# Altium PCB XMS0004.PcbDoc (part 4 of 5)
Units mm, origin at the board's own origin, x right, y up, seen from the top; angles counter-clockwise.
Board outline 160 x 130 mm, 4 copper layers (Layer 1 (Top), Layer 2 (GND), Layer 3 (PWR), Layer 4 (Bottom)), stack 1.564 mm thick; 490 components, 328 nets, 1713 pads, 922 vias.
Unrouted connection lines stored in the file: 5.
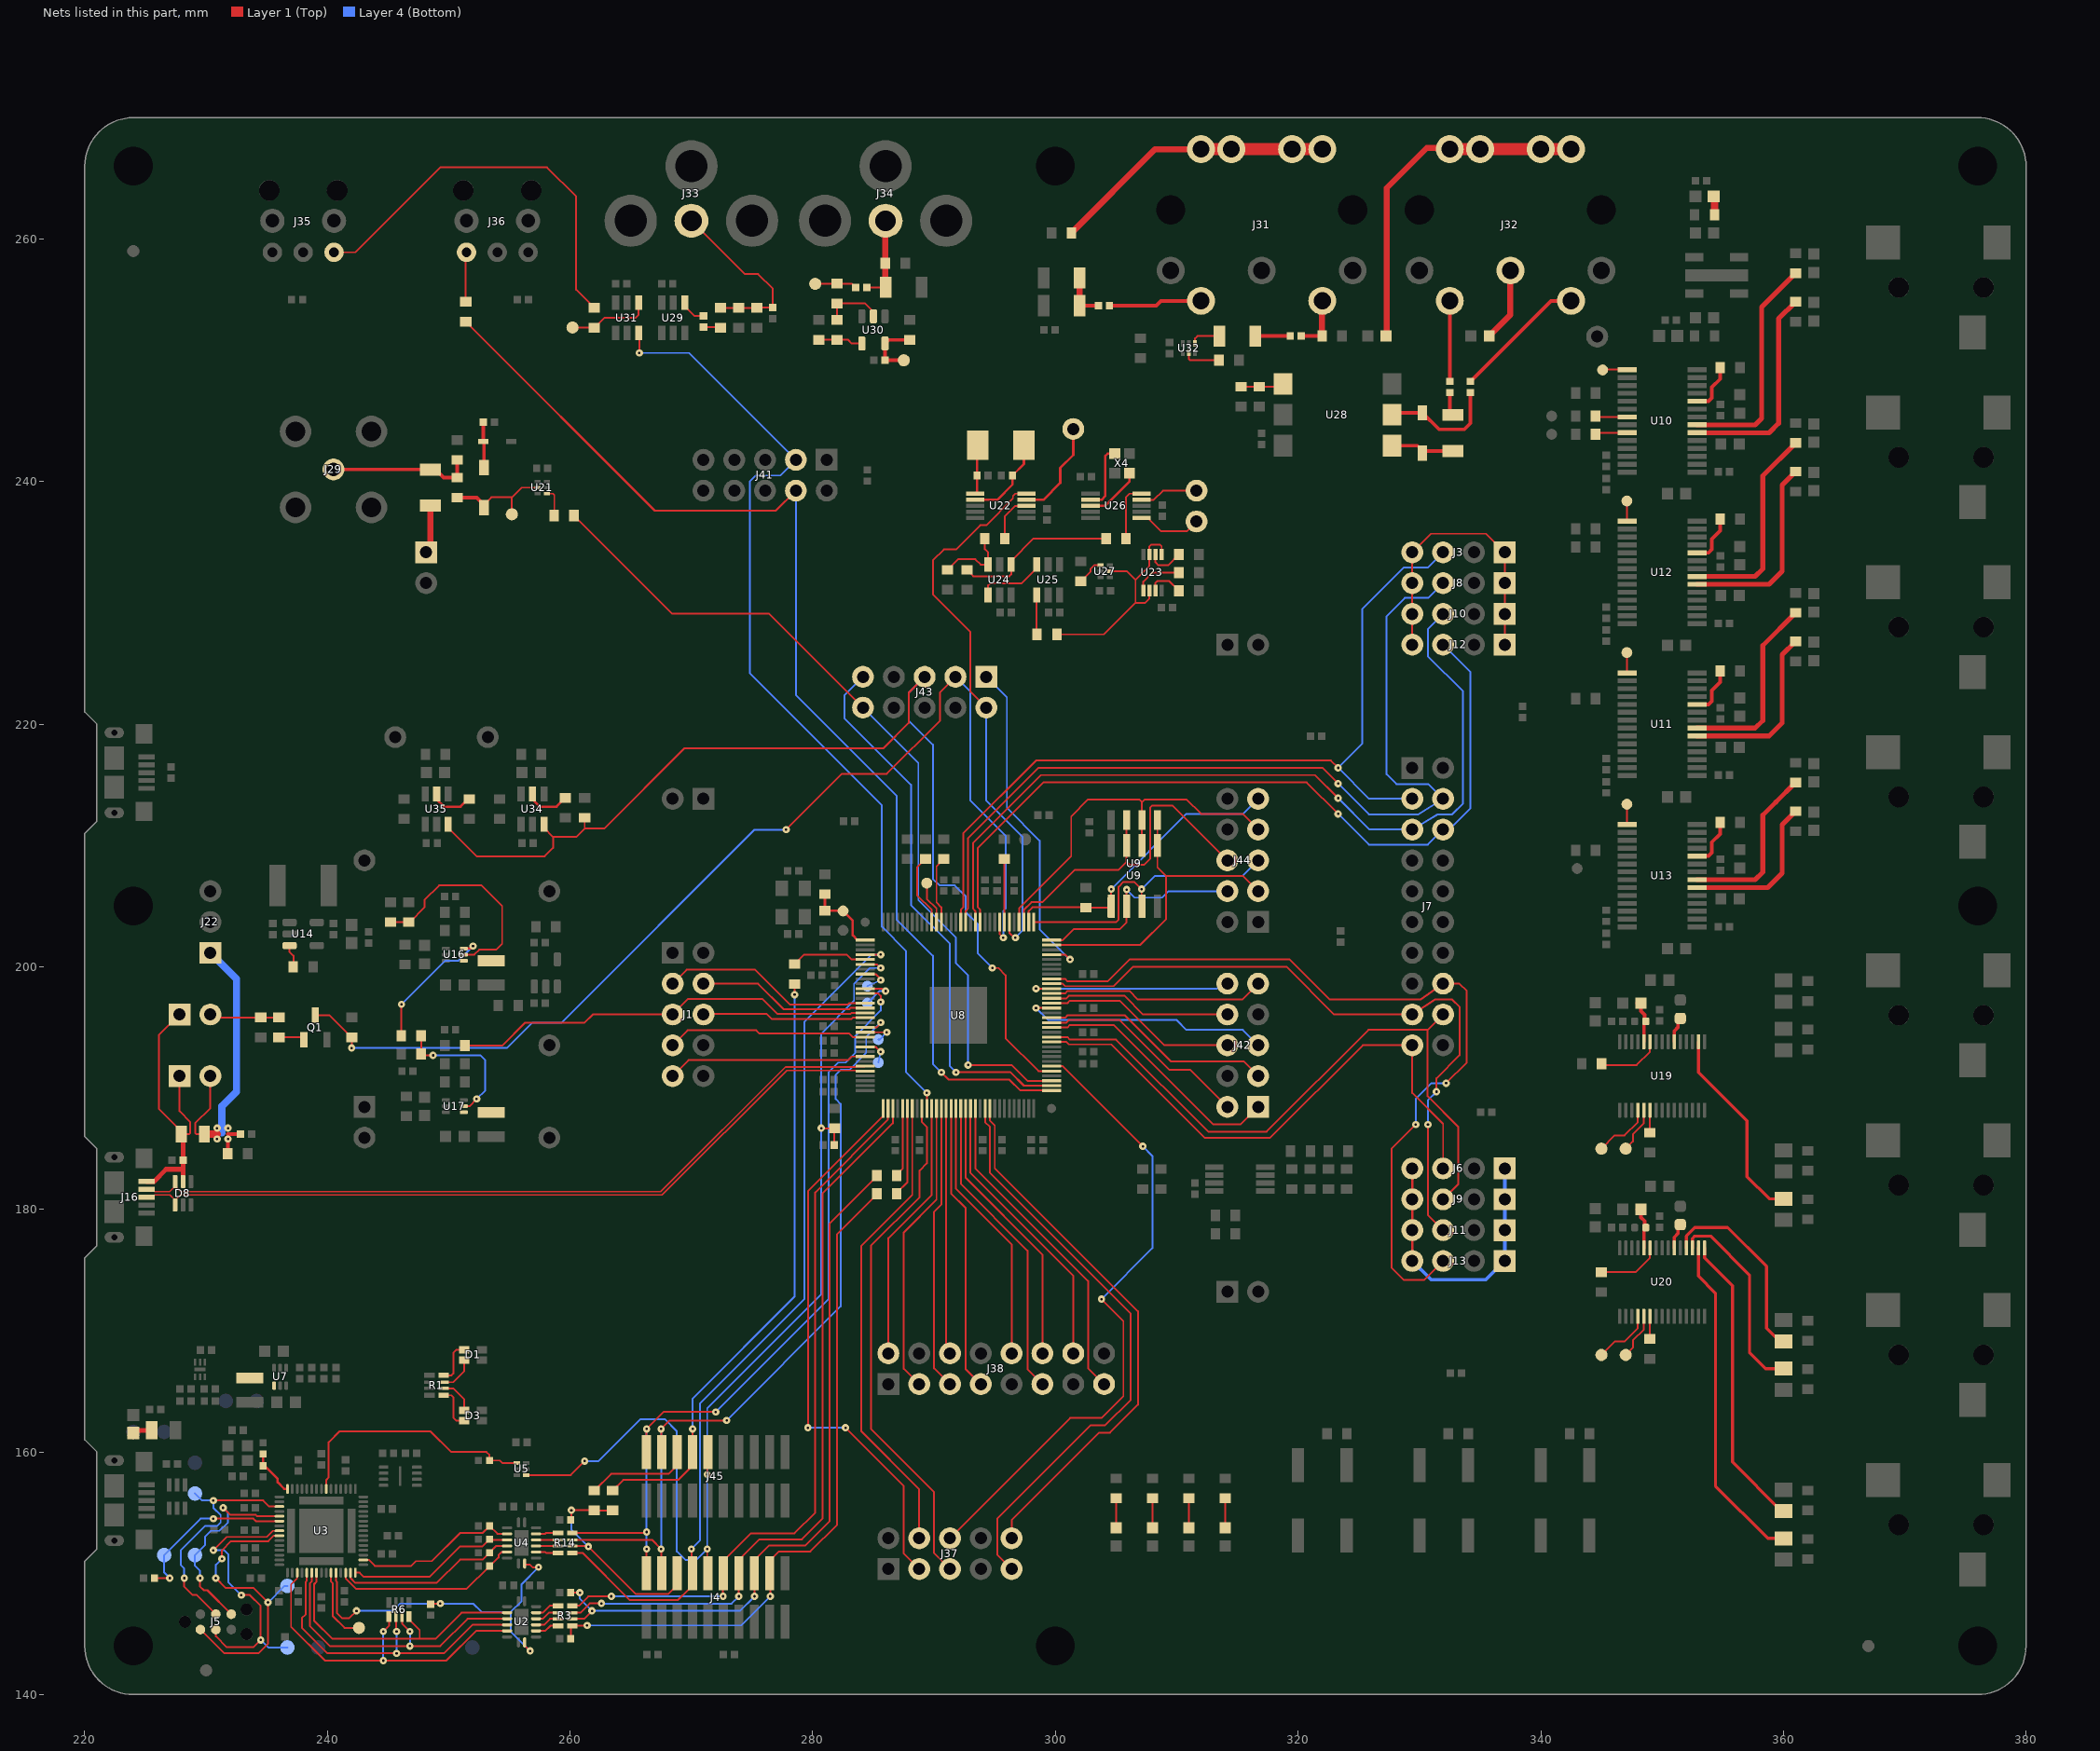
[diagram p6: the nets of this part, all layers, seen from the top]

## Via types
v1: diameter 0.6, hole 0.2, Layer 1 (Top) to Layer 4 (Bottom), 922 vias

## Nets (pads, with @x,y where several pads share a name; then routed paths per layer and width w, separated by ;. In a path a pad name is that pad's centre, name@x,y a point inside that pad or via, vN(x,y) a via of type N, cw(c..) or ccw(c..) an arc to the next point about the centre after c; other vN are vias at no path point) (continued)
NetC127_2: C127.2 U19.2 | length 16.5
  Layer 1 (Top) w0.25: U19.2@353,193.82 353,191.3 357,187.3 357,182.7 358.825,180.875 C127.2@360,180.875
NetC128_1: C128.1 U19.6 | length 2.1
  Layer 1 (Top) w0.28: U19.6@351,193.82 351,194.7 351.3,195 351.3,195.545 C128.1@351.5,195.745
NetC129_1: C129.1 C161.1 U19.11 | length 3.5
  Layer 1 (Top) w0.28: U19.11@348.5,193.82 C161.1@348.5,195.46
  Layer 1 (Top) w0.3: C129.1@347.955,197 C129.1@348.1,196.855 ; C129.1@348.255,197 348.255,196.345 348.56,196.04 C161.1@348.56,195.5
NetC130_2: C130.2 U20.3 | length 16.6
  Layer 1 (Top) w0.25: U20.3@352.5,176.82 352.5,177.6 352.7,177.8 354,177.8 357.2,174.6 357.2,168.2 358.525,166.875 C130.2@360,166.875
NetC131_2: C131.2 U20.4 | length 16.1
  Layer 1 (Top) w0.25: U20.4@352,176.82 352,177.8 352.7,178.5 355.4,178.5 358.6,175.3 358.6,170.2 359.675,169.125 C131.2@360,169.125
NetC136_2: C136.2 U20.1 | length 24.5
  Layer 1 (Top) w0.25: U20.1@353.5,176.82 353.5,176 355.8,173.7 355.8,159.17 359.845,155.125 C136.2@360,155.125
NetC137_2: C137.2 U20.2 | length 27.6
  Layer 1 (Top) w0.25: U20.2@353,176.82 353,174.5 354.4,173.1 354.4,157.2 358.725,152.875 C137.2@360,152.875
NetC138_1: C138.1 U20.6 | length 2.1
  Layer 1 (Top) w0.28: U20.6@351,176.82 351,177.7 351.3,178 351.3,178.545 C138.1@351.5,178.745
NetC139_1: C139.1 C162.1 U20.11 | length 3.5
  Layer 1 (Top) w0.28: U20.11@348.5,176.82 C162.1@348.5,178.46
  Layer 1 (Top) w0.3: C139.1@347.955,180 C139.1@348.1,179.855 ; C139.1@348.255,180 348.255,179.345 348.56,179.04 C162.1@348.56,178.5
NetC144_1: C144.1 U22.6 X3.1 | length 4.1
  Layer 1 (Top) w0.2: U22.6@293.395,239 293.54,239.145 C144.1@293.54,240.5 293.54,242.94 X3.1@293.6,243
NetC145_1: C145.1 U22.7 X3.2 | length 7.2
  Layer 1 (Top) w0.2: U22.7@293.395,238.5 295.2,238.5 296.46,239.76 C145.1@296.46,240.5 297.4,241.44 X3.2@297.4,243
NetC150_1: C150.1 J32.2 | length 6.2
  Layer 1 (Top) w0.5: C150.1@335.755,252 337.5,253.745 J32.2@337.5,257.5
NetC152_1: C152.1 J32.SH | length 28.8
  Layer 1 (Top) w0.5: C152.1@327.255,252 327.3,252.045 327.3,264.2 330.6,267.5 J32.SH@332.5,267.5
  Layer 1 (Top) w1: J32.SH@332.5,267.4 J32.SH@335,267.4 J32.SH@340,267.4 J32.SH@342.5,267.4
NetC153_1: C153.1 R108.2 TP28.1 U30.5 | length 5.1
  Layer 1 (Top) w0.3: U30.5@285.95,251.38 U30.5@285.96,251.37 ; TP28.1@287.5,250 C153.1@285.96,250 U30.5@285.96,251.37 ; R108.2@288,251.68 286.27,251.68 U30.5@285.96,251.37
NetC154_1: C154.1 U29.4 | length 2.3
  Layer 1 (Top) w0.15: U29.4@269.45,254.755 269.45,254.45 270.24,253.66 C154.1@271,253.66 C154.1@270.895,253.765
NetC154_2: C154.2 R109.1 | length 1.4
  Layer 1 (Top) w0.15: C154.2@271,252.74 272.34,252.74 R109.1@272.4,252.68
NetC155_1: C155.1 D12.2 J34.1 R112.2 | length 7.1
  Layer 1 (Top) w0.15: C155.1@284.46,256 R112.2@285.98,256
  Layer 1 (Top) w0.5: R112.2@285.98,256 D12.2@285.98,258 285.98,261.48 J34.1@286,261.5 ; J34.1@285.98,262.48 J34.1@286,262.5
NetC155_2: C155.2 R110.1 TP29.1 | length 3.5
  Layer 1 (Top) w0.15: TP29.1@280.2,256.3 281.98,256.3 R110.1@282,256.32 283.22,256.32 C155.2@283.54,256
NetC156_1: C156.1 J33.1 R109.2 R113.2 R114.2 | length 14.9
  Layer 1 (Top) w0.15: J33.1@270,261.5 274.4,257.1 275.5,257.1 276.7,255.9 C156.1@276.7,254.36 275.44,254.36 R113.2@275.4,254.32 R114.2@273.9,254.32 R109.2@272.4,254.32
NetC174_1: C174.1 D9.1 D13.1 | length 3.8
  Layer 1 (Top) w0.15: D13.1@252.84,243.32 D13.1@252.86,243.3 D13.1@252.9,243.26
  Layer 1 (Top) w0.3: D13.1@252.84,243.32 C174.1@252.84,244.9 ; D9.1@252.9,241.16 D13.1@252.9,243.26
NetD1_3: D1.3 R1.7 | length 3
  Layer 1 (Top) w0.15: R1.7@249.58,165.75 250.35,165.75 251.275,166.675 D1.3@251.275,167.575
NetD1_4: D1.4 R1.8 | length 3.6
  Layer 1 (Top) w0.15: R1.8@249.58,166.325 250.225,166.325 250.4,166.5 250.4,168.2 250.625,168.425 D1.4@251.275,168.425
NetD3_3: D3.3 R1.5 | length 3.6
  Layer 1 (Top) w0.15: R1.5@249.58,164.675 250.225,164.675 250.4,164.5 250.4,162.8 250.625,162.575 D3.3@251.275,162.575
NetD3_4: D3.4 R1.6 | length 3
  Layer 1 (Top) w0.15: R1.6@249.58,165.25 250.35,165.25 251.275,164.325 D3.4@251.275,163.425
NetD4_2: D4.2 R33.1 | length 2.4
  Layer 1 (Top) w0.15: D4.2@305,153.76 R33.1@305,156.18
NetD5_2: D5.2 R34.1 | length 2.4
  Layer 1 (Top) w0.15: D5.2@308,153.76 R34.1@308,156.18
NetD6_2: D6.2 R35.1 | length 2.4
  Layer 1 (Top) w0.15: D6.2@311,153.76 R35.1@311,156.18
NetD7_2: D7.2 R36.1 | length 2.4
  Layer 1 (Top) w0.15: D7.2@314,153.76 R36.1@314,156.18
NetD9_2: D9.2 R91.2 TP40.1 U21.2 | length 9.1
  Layer 1 (Top) w0.15: D9.2@252.9,237.84 252.9,238.1 253.5,238.7 255.2,238.7 ; TP40.1@255.2,237.3 255.2,238.7 ; U21.2@257.315,239.5 256,239.5 255.2,238.7
  Layer 1 (Top) w0.3: R91.2@250.7,238.68 252.32,238.68 D9.2@252.9,238.1
NetD10_1: D10.1 R103.2 U28.1 | length 5.5
  Layer 1 (Top) w0.3: U28.1@327.75,242.96 329.84,242.96 330.25,242.55 D10.1@330.25,242.34 330.43,242.52 R103.2@332.75,242.52
NetD10_2: D10.2 FB10.2 U28.2 | length 9.8
  Layer 1 (Top) w0.3: U28.2@327.75,245.5 327.91,245.66 D10.2@330.25,245.66 331.61,244.3 333.7,244.3 334.2,244.8 FB10.2@334.2,247.345
NetD11_2: D11.2 FB9.1 J31.5 | length 4.7
  Layer 1 (Top) w0.3: FB9.1@320.255,252 D11.2@321.98,252
  Layer 1 (Top) w0.5: D11.2@321.98,252 321.98,254.98 J31.5@322,255
NetF1_2: F1.2 FB1.1 | length 1.5
  Layer 1 (Top) w0.4: FB1.1@224,161.765 225.48,161.765 F1.2@225.515,161.8
NetFB6_2: FB6.2 R62.1 | length 1.5
  Layer 1 (Top) w0.6: FB6.2@354.235,263.5 354.32,263.415 R62.1@354.32,262
NetFB7_1: FB7.1 J31.4 | length 7.7
  Layer 1 (Top) w0.3: FB7.1@304.455,254.5 308.3,254.5 308.7,254.9 J31.4@312,254.9
NetFB7_2: FB7.2 R100.1 R101.1 | length 3.9
  Layer 1 (Top) w0.3: R101.1@301.98,254.5 FB7.2@303.545,254.5
  Layer 1 (Top) w0.5: R101.1@301.98,254.5 R100.1@301.98,256.8
NetFB8_1: FB8.1 J32.4 | length 6.8
  Layer 1 (Top) w0.3: J32.4@332.5,255 FB8.1@332.5,248.255 FB8.1@332.505,248.25
NetFB8_2: FB8.2 R103.1 | length 2
  Layer 1 (Top) w0.3: FB8.2@332.5,247.345 332.5,245.73 R103.1@332.75,245.48 R103.1@332.755,245.485
NetFB9_2: FB9.2 R104.2 | length 2.9
  Layer 1 (Top) w0.3: R104.2@316.48,252 FB9.2@319.345,252
NetFB10_1: FB10.1 J32.5 | length 11.1
  Layer 1 (Top) w0.3: FB10.1@334.2,248.255 340.845,254.9 J32.5@342.5,254.9
NetJ3_1: J3.1 J3.4 J8.1 J8.4 J10.1 J10.4 J12.1 J12.4 | length 24.1
  Layer 1 (Top) w0.15: J12.4@329.41,226.55 J10.4@329.41,229.09 J8.4@329.41,231.63 J3.4@329.41,234.17 330.94,235.7 335.5,235.7 J3.1@337.03,234.17 J8.1@337.03,231.63 J10.1@337.03,229.09 J12.1@337.03,226.55
NetJ6_1: J6.1 J6.4 J9.1 J9.4 J11.1 J11.4 J13.1 J13.4 | length 24.1
  Layer 1 (Top) w0.2: J13.4@329.41,175.75 J11.4@329.41,178.29 J9.4@329.41,180.83 J6.4@329.41,183.37
  Layer 4 (Bottom) w0.3: J13.4@329.41,175.75 330.96,174.2 335.48,174.2 J13.1@337.03,175.75 J11.1@337.03,178.29 J9.1@337.03,180.83 J6.1@337.03,183.37
NetJ14_2: J14.2 R45.1 R46.2 | length 5.8
  Layer 1 (Top) w0.15: J14.2@230.35,196.07 230.6,195.82 R46.2@234.5,195.82 R45.1@236,195.82
NetJ29_1: J29.1 R91.1 R92.2 R138.2 | length 11.9
  Layer 1 (Top) w0.15: R92.2@248.5,240.98 R92.2@248.92,240.98
  Layer 1 (Top) w0.3: J29.1@240.5,241 R92.2@248.5,241 ; R92.2@248.92,240.98 249.58,240.32 R91.1@250.7,240.32 R138.2@250.7,241.78
NetJ30_1: J30.1 R92.1 | length 4
  Layer 1 (Top) w0.15: J30.1@248.13,234.17 J30.1@248.5,234.54
  Layer 1 (Top) w0.5: J30.1@248.5,234.54 R92.1@248.5,238.02
NetJ31_SH: J31.SH R105.2 | length 23.5
  Layer 1 (Top) w0.5: R105.2@301.32,260.5 308.22,267.4 J31.SH@312,267.4
  Layer 1 (Top) w1: J31.SH@312,267.4 J31.SH@314.5,267.4 J31.SH@319.5,267.4 J31.SH@322,267.4
NetJ35_3: J35.3 R115.2 | length 33.7
  Layer 1 (Top) w0.15: J35.3@240.54,258.9 242.3,258.9 249.3,265.9 258.1,265.9 260.5,263.5 260.5,255.82 R115.2@262,254.32
NetJ36_1: J36.1 R116.1 | length 4.1
  Layer 1 (Top) w0.15: R116.1@251.4,254.82 251.4,258.84 J36.1@251.46,258.9
NetL1_1: L1.1 U7.4
NetL2_1: L2.1 U16.4
NetL3_1: L3.1 U17.4
NetQ1_1: Q1.1 R45.2 | length 2.1
  Layer 1 (Top) w0.15: R45.2@236,194.18 237.855,194.18 Q1.1@238.05,193.985
NetR3_1: R3.1 U2.14 | length 2.1
  Layer 1 (Top) w0.15: U2.14@257.195,146.75 257.75,146.75 258.325,147.325 R3.1@259.02,147.325
NetR3_2: R3.2 U2.13 | length 2
  Layer 1 (Top) w0.15: U2.13@257.195,146.25 257.75,146.25 258.25,146.75 R3.2@259.02,146.75
NetR3_3: R3.3 U2.12 | length 2
  Layer 1 (Top) w0.15: U2.12@257.195,145.75 257.85,145.75 258.35,146.25 R3.3@259.02,146.25
NetR3_4: R3.4 U2.11 | length 2
  Layer 1 (Top) w0.15: U2.11@257.195,145.25 257.95,145.25 258.375,145.675 R3.4@259.02,145.675
NetR12_1: R12.1 U8.20 | length 5.6
  Layer 1 (Top) w0.15: U8.20@290.6,203.68 290.6,204.9 290.2,205.3 290.2,208.28 R12.1@290.8,208.88
NetR13_1: R13.1 U8.22 | length 6
  Layer 1 (Top) w0.15: R13.1@289.3,208.88 288.6,208.18 288.6,205.9 289.8,204.7 U8.22@289.8,203.68
NetR14_1: R14.1 U4.14 | length 1.9
  Layer 1 (Top) w0.15: U4.14@257.195,153.25 257.95,153.25 258.025,153.325 R14.1@259.02,153.325
NetR14_2: R14.2 U4.13 | length 1.8
  Layer 1 (Top) w0.15: U4.13@257.195,152.75 R14.2@259.02,152.75
NetR14_3: R14.3 U4.12 | length 1.8
  Layer 1 (Top) w0.15: U4.12@257.195,152.25 R14.3@259.02,152.25
NetR14_4: R14.4 U4.11 | length 1.9
  Layer 1 (Top) w0.15: U4.11@257.195,151.75 257.95,151.75 258.025,151.675 R14.4@259.02,151.675
NetR15_2: R15.2 U14.3 | length 1.9
  Layer 1 (Top) w0.15: U14.3@236.88,201.75 236.88,201.22 237.2,200.9 237.2,200.02 R15.2@237.18,200
NetR18_2: R18.2 R20.2 TP16.1 U8.33 | length 6.4
  Layer 1 (Top) w0.15: TP16.1@282.48,204.62 TP16.1@282.5,204.6
  Layer 1 (Top) w0.2: R20.2@281,205.98 R18.2@281,204.62 TP16.1@282.48,204.62 ; TP16.1@282.5,204.6 283.3,203.8 283.3,202.6 283.7,202.2 U8.33@284.32,202.2
NetR19_2: R19.2 R21.2 U3.15 | length 4
  Layer 1 (Top) w0.2: R21.2@234.7,159.845 R19.2@234.7,158.855 234.845,158.855 235.9,157.8 235.9,157.5 236.445,156.955 U3.15@236.7,156.955
NetR39_1: R39.1 U8.69 | length 5.7
  Layer 1 (Top) w0.15: R39.1@286.92,182.8 286.92,182.87 287.4,183.35 U8.69@287.4,188.32
NetR40_1: R40.1 U8.70 | length 7.4
  Layer 1 (Top) w0.15: R40.1@286.92,181.3 286.92,181.37 287.8,182.25 U8.70@287.8,188.32
NetR49_1: R49.1 U10.6 | length 17.6
  Layer 1 (Top) w0.4: U10.6@352.88,244.025 358.825,244.025 359.6,244.8 359.6,249.381 359.6,250.019 359.6,253.42 R49.1@361,254.82
NetR50_1: R50.1 U11.6 | length 14.6
  Layer 1 (Top) w0.4: U11.6@352.88,219.025 358.825,219.025 359.9,220.1 359.9,225.72 R50.1@361,226.82
NetR51_1: R51.1 U10.7 | length 18.7
  Layer 1 (Top) w0.4: U10.7@352.88,244.675 357.675,244.675 358.2,245.2 358.2,254.38 R51.1@361,257.18
NetR52_1: R52.1 U11.7 | length 15.7
  Layer 1 (Top) w0.4: U11.7@352.88,219.675 357.675,219.675 358.3,220.3 358.3,226.48 R52.1@361,229.18
NetR53_2: R53.2 U10.10 | length 4.1
  Layer 1 (Top) w0.3: U10.10@352.88,246.625 353.825,246.625 354.1,246.9 354.1,247.769 354.78,248.449 R53.2@354.78,249.4
NetR54_2: R54.2 U11.10 | length 4.1
  Layer 1 (Top) w0.3: U11.10@352.88,221.625 353.825,221.625 354.1,221.9 354.1,222.769 354.78,223.449 R54.2@354.78,224.4
NetR55_1: R55.1 U12.6 | length 16.1
  Layer 1 (Top) w0.4: U12.6@352.88,231.525 358.825,231.525 359.9,232.6 359.9,239.72 R55.1@361,240.82
NetR56_1: R56.1 U13.6 | length 13.1
  Layer 1 (Top) w0.4: U13.6@352.88,206.525 358.705,206.525 359.9,207.72 359.9,211.72 R56.1@361,212.82
NetR57_1: R57.1 U12.7 | length 17.2
  Layer 1 (Top) w0.4: U12.7@352.88,232.175 357.675,232.175 358.3,232.8 358.3,237.6 358.3,240.48 R57.1@361,243.18
NetR58_1: R58.1 U13.7 | length 14.2
  Layer 1 (Top) w0.4: U13.7@352.88,207.175 357.675,207.175 358.3,207.8 358.3,212.5 359.38,213.58 360.98,215.18 R58.1@361,215.18
NetR60_2: R60.2 U12.10 | length 4.1
  Layer 1 (Top) w0.3: U12.10@352.88,234.125 353.825,234.125 354.1,234.4 354.1,235.269 354.78,235.949 R60.2@354.78,236.9
NetR61_2: R61.2 U13.10 | length 4.1
  Layer 1 (Top) w0.3: U13.10@352.88,209.125 353.825,209.125 354.1,209.4 354.1,210.269 354.78,210.949 R61.2@354.78,211.9
NetR66_1: R66.1 R137.2 U16.5 | length 18.1
  Layer 1 (Top) w0.15: R137.2@245.2,203.68 R66.1@246.7,203.68 246.78,203.68 248,204.9 248,205.5 249.2,206.7 252.7,206.7 254.4,205 254.4,201.9 253.9,201.4 252.5,201.4 252.1,201 U16.5@251.235,201
NetR68_1: R68.1 R72.1 U17.5 | length 11.8
  Layer 1 (Top) w0.15: R68.1@247.72,194.3 R72.1@247.72,192.8 247.82,192.7 v1(248.7,192.7) ; U17.5@251.235,188.5 251.7,188.5 v1(252.3,189.1)
  Layer 4 (Bottom) w0.15: v1(248.7,192.7) 252.6,192.7 253,192.3 253,189.8 v1(252.3,189.1)
NetR68_2: R68.2 U16.6 | length 11.3
  Layer 1 (Top) w0.15: R68.2@246.08,194.3 246.1,194.32 v1(246.1,196.9)
  Layer 1 (Top) w0.2: U16.6@251.235,201.5 251.8,201.5 v1(252,201.7)
  Layer 4 (Bottom) w0.15: v1(246.1,196.9) 249.7,200.5 250.8,200.5 v1(252,201.7)
NetR71_2: R71.2 U34.5 | length 3.7
  Layer 1 (Top) w0.2: U34.5@256.9,214.255 256.9,213.8 257.5,213.2 258.88,213.2 R71.2@259.6,213.92
NetR80_2: R80.2 U19.21 | length 1.9
  Layer 1 (Top) w0.15: R80.2@349,186.32 U19.21@349,188.18
NetR83_1: R83.1 U19.10 | length 5
  Layer 1 (Top) w0.15: R83.1@344.82,191.93 R83.1@344.82,192 ; R83.1@345.3,191.9 347.9,191.9 349,193 U19.10@349,193.82
NetR86_2: R86.2 U20.21 | length 1.9
  Layer 1 (Top) w0.15: R86.2@349,169.32 U20.21@349,171.18
NetR89_1: R89.1 U20.10 | length 5.3
  Layer 1 (Top) w0.15: R89.1@345,174.82 347.82,174.82 349,176 U20.10@349,176.82
NetR90_1: R90.1 U21.4 | length 2.4
  Layer 1 (Top) w0.15: U21.4@258.085,239 258.6,239 258.7,238.9 258.7,237.22 R90.1@258.68,237.2 R90.1@258.665,237.215
NetR93_1: R93.1 U22.3 | length 4
  Layer 1 (Top) w0.15: R93.1@295.82,235.3 295.82,237.12 296.7,238 U22.3@297.605,238
NetR93_2: R93.2 R136.2 U24.3 | length 6.4
  Layer 1 (Top) w0.15: R136.2@291.1,232.72 291.98,233.6 293.4,233.6 293.845,233.155 U24.3@294.45,233.155 294.45,234.15 294.18,234.42 R93.2@294.18,235.3 R93.2@294.35,235.13
NetR94_1: R94.1 U23.7 | length 3
  Layer 1 (Top) w0.15: U23.7@308.25,231.01 308.25,231.65 308.4,231.8 309.38,231.8 R94.1@310.18,231
NetR95_1: R95.1 U23.5 | length 4
  Layer 1 (Top) w0.15: U23.5@307.25,231.01 307.25,231.75 308,232.5 R95.1@310.18,232.5
NetR96_1: R96.1 U23.2 | length 3
  Layer 1 (Top) w0.15: U23.2@308.25,233.99 308.25,233.35 308.5,233.1 309.28,233.1 R96.1@310.18,234
NetR97_1: R97.1 U25.4 | length 3.3
  Layer 1 (Top) w0.15: U25.4@298.45,230.645 298.45,227.43 R97.1@298.48,227.4
NetR97_2: R97.2 U23.1 U23.3 U23.6 U27.2 | length 18.8
  Layer 1 (Top) w0.15: R97.2@300.12,227.4 304,227.4 306.6,230 ; U27.2@304.485,232.6 305.9,232.6 306.6,231.9 ; U23.6@307.75,231.01 307.75,230.35 307.4,230 306.6,230 ; U23.1@308.75,233.99 308.75,234.65 308.6,234.8 307.9,234.8 307.75,234.65 U23.3@307.75,233.99 307.75,233.05 306.6,231.9 ; 306.6,230 306.6,231.9
NetR98_1: R98.1 U27.4 | length 2.3
  Layer 1 (Top) w0.15: R98.1@302.1,231.78 302.9,232.58 302.9,232.8 303.2,233.1 U27.4@303.715,233.1
NetR99_1: R99.1 U26.10 | length 4.8
  Layer 1 (Top) w0.15: R99.1@305.82,235.3 305.82,238.72 306.1,239 U26.10@307.105,239
NetR99_2: R99.2 R135.2 U24.1 | length 13.6
  Layer 1 (Top) w0.15: R135.2@292.7,232.72 293.22,232.2 296.2,232.2 296.35,232.35 U24.1@296.35,233.155 296.35,233.45 298.2,235.3 R99.2@304.18,235.3
NetR102_1: R102.1 R120.1 U28.4 | length 3.6
  Layer 1 (Top) w0.15: R120.1@315.25,247.82 316.75,247.82 318.53,247.82 U28.4@318.75,248.04
NetR104_1: R104.1 U32.4 | length 2.5
  Layer 1 (Top) w0.15: U32.4@311.5,251.385 311.5,251.8 311.7,252 R104.1@313.45,252
  Layer 1 (Top) w0.2: R104.1@313.45,252 R104.1@313.485,251.965
  Layer 1 (Top) w0.3: R104.1@313.485,251.965 R104.1@313.52,252
NetR107_1: R107.1 R110.2 U30.2 | length 5
  Layer 1 (Top) w0.15: R107.1@282,253.32 R110.2@282,254.68 284.32,254.68 285,254 U30.2@285,253.62
NetR107_2: R107.2 R111.1 U30.4 | length 3.7
  Layer 1 (Top) w0.15: R111.1@280.5,251.68 R107.2@282,251.68 282.92,251.68 283.22,251.38 U30.4@284.05,251.38
NetR115_1: R115.1 TP30.1 U31.4 | length 6.9
  Layer 1 (Top) w0.15: TP30.1@260.2,252.7 R115.1@261.98,252.7 ; R115.1@262,252.68 262.82,253.5 265.4,253.5 265.65,253.75 U31.4@265.65,254.755
NetR118_2: R118.2 U8.7 | length 5.2
  Layer 1 (Top) w0.15: U8.7@295.8,203.68 R118.2@295.8,208.88
NetR121_2: R121.2 U32.2 | length 3
  Layer 1 (Top) w0.15: U32.2@311,250.615 311,250.1 311.1,250 R121.2@313.48,250
NetR122_2: R122.2 U8.37 | length 6.3
  Layer 1 (Top) w0.15: R122.2@278.5,200.22 279.28,201 282.8,201 283.2,200.6 U8.37@284.32,200.6
NetR125_2: R125.2 U10.21 | length 2.6
  Layer 1 (Top) w0.15: R125.2@344.52,245.4 344.595,245.325 U10.21@347.12,245.325
NetR126_2: R126.2 U10.23 | length 2.7
  Layer 1 (Top) w0.15: R126.2@344.52,243.9 344.645,244.025 U10.23@347.12,244.025
NetR143_2: R143.2 U35.5 | length 3.7
  Layer 1 (Top) w0.2: U35.5@249,214.255 249,213.8 249.6,213.2 250.98,213.2 R143.2@251.7,213.92
NetTP1_1: TP1.1 U3.40 | length 6.2
  Layer 1 (Top) w0.15: U3.40@240.3,150.045 240.3,149.324 240.45,149.174 240.45,146.45 241.4,145.5 TP1.1@242.6,145.5
NetTP2_1: TP2.1 U8.55 | length 2.4
  Layer 1 (Top) w0.15: U8.55@284.32,193.4 284.339,193.381 285.219,193.381 v1(285.6,193)
  Layer 4 (Bottom) w0.15: TP2.1@285.4,192.1 v1(285.6,193)
NetTP20_1: TP20.1 U22.4 | length 8.2
  Layer 1 (Top) w0.2: U22.4@297.605,238.5 299,238.5 300.4,239.9 300.4,241.12 301.47,242.19 TP20.1@301.47,244.33
NetTP23_1: TP23.1 U19.20 | length 3.8
  Layer 1 (Top) w0.15: TP23.1@347,185 347.6,185.6 347.6,186.2 348.5,187.1 U19.20@348.5,188.18
NetTP24_1: TP24.1 U19.19 | length 4.9
  Layer 1 (Top) w0.15: TP24.1@345,185 346.1,186.1 346.9,186.1 348,187.2 U19.19@348,188.18
NetTP25_1: TP25.1 U20.20 | length 3.8
  Layer 1 (Top) w0.15: TP25.1@347,168 347.6,168.6 347.6,169.2 348.5,170.1 U20.20@348.5,171.18